# KiCad board eurocard mux.kicad_pcb (continued)
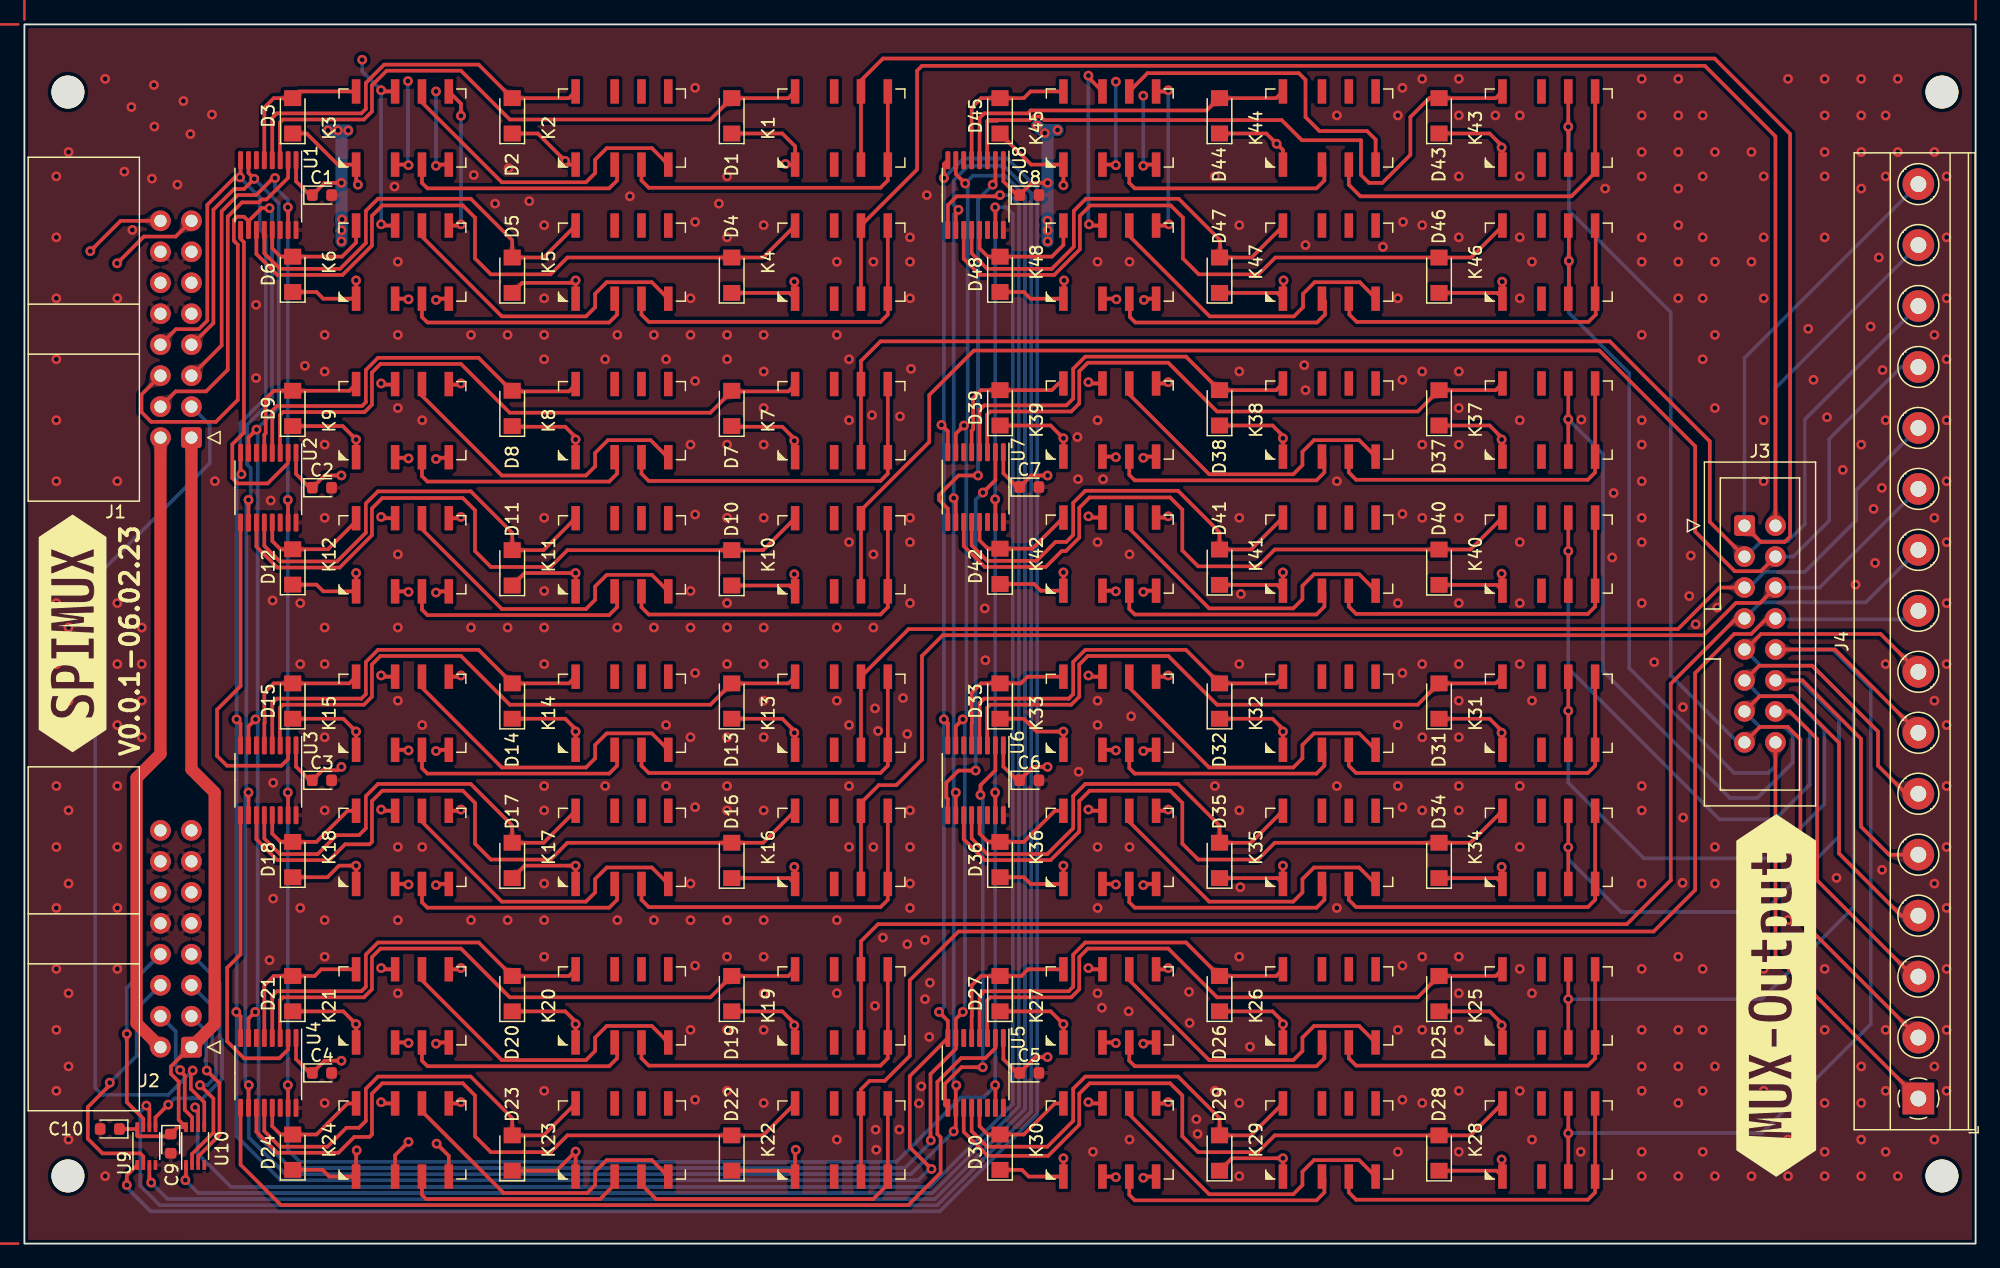
[diagram p0: board, top side]
## Routing (per net, layer and track width the routed paths; a pad name or vN(x,y) marks a point on that pad's centre or on a via; arc(x,y) is an arc through that point) (continued)
/buffer/device_enable_conn: length 15.9
  Top w0.3: v1(8.4,17.2) 8.4,11.6 9.75,10.25 U9.7
  Bottom w0.3: v1(8.4,17.2) 8.4,20.97 J2.8
/buffer/serial_clock_conn: length 17.6
  Top w0.3: v1(14.4,13) 15.5,11.9 15.5,9.11 13.75,7.36 U10.2
  Bottom w0.3: J2.5 15.4,19.49 15.4,16 15.7,15.7 15.7,13.7 15,13 v1(14.4,13)
/buffer/serial_out_conn: length 10.2
  Top w0.3: U10.7 13.75,10.37 13.15,10.96 13.15,13.79 12.77,14.17 v1(12.77,14.23)
  Bottom w0.3: v1(12.77,14.23) 12.4,14.6 12.4,17.41 J2.4
/buffer/Serial_return_conn: length 13.9
  Top w0.3: U10.3 14.25,7.15 16,8.9 16,13.15 v1(14.95,14.2)
  Bottom w0.3: v1(14.95,14.2) 14.9,14.25 14.9,17.45 J2.3
/buffer/synch_clr_conn: length 18.8
  Top w0.3: v1(11.8,11.4) 10.75,10.35 U9.5
  Bottom w0.3: v1(11.8,11.4) 12.31,11.91 13.67,11.91 13.69,11.92 13.86,11.92 13.86,11.93 14.31,11.93 14.63,11.93 16.2,13.49 16.2,16.71 16,16.91 16,21.43 J2.7
/buffer/transf_out_conn: length 20.9
  Top w0.3: U9.2 9.75,7.15 9.5,7.4 6.4,7.4 5.2,8.6 5.2,11.2 7,13 v1(7,13.2)
  Bottom w0.3: v1(7,13.2) 9.2,15.4 9.2,19.23 J2.6
/Relay_group1/Relays1/ai/pow: length 32.8
  Top w0.3: K2.8 44.65,93.95 D2.2 37.25,96.7 29.5,96.7 28,95.2 28,93.07 27.63,92.7 20.7,92.7 20.33,92.33 U1.4
/Relay_group1/Relays1/in/out: length 12.4
  Top w0.3: U1.5 19.67,93.17 20.45,93.95 D3.2 22.55,94.5 K3.8
/Relay_group1/Relays1/on/off: length 51
  Top w0.3: U1.3 20.95,88.89 20.95,91.95 21.2,92.2 27.84,92.2 28.5,92.86 28.5,94.99 29.71,96.2 35.8,96.2 39.8,92.2 56.25,92.2 D1.2 62.65,93.95 K1.8
/Relay_group1/Relays2/ai/pow: length 35.8
  Top w0.3: K5.8 42.58,80.88 D5.2 40,82.3 36.6,85.7 28.99,85.7 28,84.71 28,82.07 25.88,79.95 20.95,79.95 19.67,81.22 U1.12
/Relay_group1/Relays2/in/out: length 10.5
  Top w0.3: U1.13 20.33,81.62 21,80.95 D6.2 26.05,80.95 27.2,82.1 K6.8
/Relay_group1/Relays2/on/off: length 56.6
  Top w0.3: U1.11 19.03,81.17 20.74,79.45 26.09,79.45 28.5,81.86 28.5,81.89 28.5,84.3 29.35,85.15 35.95,85.15 36.95,84.15 36.95,80.8 38.25,79.5 43.15,79.5 44.53,80.88 D4.2 60.58,80.88 K4.8
/Relay_group1/serial_out: length 26.3
  Top w0.3: 21.6,64 19.95,62.35 17.49,62.35 17.05,62.79 17.05,65.56 18,66.51 18,82.14 17.72,82.41 U1.9
/Relay_group2/Relays1/ai/pow: length 33
  Top w0.3: U2.4 20.33,68.33 20.7,68.7 27.68,68.7 28,69.02 28,71.66 28.99,72.65 37.25,72.65 40,69.9 44.65,69.9 45.2,70.45
/Relay_group2/Relays1/in/out: length 12.4
  Top w0.3: K9.8 26.65,69.95 D9.2 20.45,69.95 19.79,69.29 19.79,66.46 19.67,66.35 U2.5
/Relay_group2/Relays1/on/off: length 51.2
  Top w0.3: 63.2,70.45 62.65,69.9 58,69.9 56.25,68.15 39.8,68.15 35.8,72.15 29.2,72.15 28.5,71.45 28.5,68.81 27.89,68.2 21.2,68.2 20.95,67.95 20.95,64.89 U2.3
/Relay_group2/Relays2/ai/pow: length 35.7
  Top w0.3: U2.12 19.67,57.22 20.95,55.95 25.64,55.95 28,58.31 28,60.71 28.99,61.7 36.6,61.7 40,58.3 D11.2 42.58,56.88 K11.8
/Relay_group2/Relays2/in/out: length 9.9
  Top w0.3: U2.13 20.33,57.62 21,56.95 D12.2 24.9,56.95 27.2,59.25 K12.8
/Relay_group2/Relays2/on/off: length 56.5
  Top w0.3: K10.8 60.58,56.88 D10.2 44.53,56.88 43.15,55.5 38.25,55.5 36.95,56.8 36.95,60.15 35.95,61.15 29.35,61.15 28.5,60.3 28.5,58.1 25.85,55.45 20.74,55.45 19.03,57.17 U2.11
/Relay_group2/serial_out: length 27.4
  Top w0.3: U3.2 21.62,39.75 21.08,39.2 16.6,39.2 15.8,40 15.8,43.8 17.72,45.72 U2.9
/Relay_group3/Relays1/ai/pow: length 33.1
  Top w0.3: U3.4 20.33,44.33 20.7,44.7 27.63,44.7 28,45.07 28,47.71 28.99,48.7 37.25,48.7 D14.2 44.65,45.95 K14.8
/Relay_group3/Relays1/in/out: length 12.4
  Top w0.3: U3.5 19.67,42.67 19.7,42.69 19.7,43.31 19.67,43.33 19.67,45.17 20.45,45.95 D15.2 26.65,45.95 K15.8
/Relay_group3/Relays1/on/off: length 51.3
  Top w0.3: U3.3 20.95,40.89 20.95,43.95 21.2,44.2 27.84,44.2 28.5,44.86 28.5,47.5 29.2,48.2 35.8,48.2 39.8,44.2 56.25,44.2 D13.2 62.65,45.95 K13.8
/Relay_group3/Relays2/ai/pow: length 35.8
  Top w0.3: K17.8 42.58,32.88 D17.2 40,34.3 36.6,37.7 28.99,37.7 28,36.71 28,34.07 27.43,33.5 25.6,33.5 24.05,31.95 20.95,31.95 19.67,33.22 U3.12
/Relay_group3/Relays2/in/out: length 9.7
  Top w0.3: K18.8 26.5,35.5 23.95,32.95 D18.2 21,32.95 20.33,33.62 U3.13
/Relay_group3/Relays2/on/off: length 57.1
  Top w0.3: U3.11 19.03,33.17 20.74,31.45 25,31.45 26.3,32.75 28.3,32.75 28.5,32.95 28.5,36.3 29.35,37.15 35.95,37.15 36.95,36.15 36.95,32.8 38.25,31.5 43.15,31.5 44.53,32.88 D16.2 60.58,32.88 K16.8
/Relay_group3/serial_out: length 25.8
  Top w0.3: U4.2 21.62,15.92 20.9,15.2 18.01,15.2 16.63,16.59 16.63,22.63 17.72,23.72 U3.9
/Relay_group4/Relays1/ai/pow: length 33.1
  Top w0.3: K20.8 44.65,21.95 D20.2 37.25,24.7 28.99,24.7 28,23.71 28,21.07 27.63,20.7 25.1,20.7 20.7,20.7 20.33,20.33 U4.4
/Relay_group4/Relays1/in/out: length 12.4
  Top w0.3: K21.8 24.35,22.5 23.8,21.95 D21.2 20.45,21.95 19.67,21.17 U4.5
/Relay_group4/Relays1/on/off: length 51.3
  Top w0.3: U4.3 20.95,16.89 20.95,19.95 21.2,20.2 27.84,20.2 28.5,20.86 28.5,23.5 29.2,24.2 35.8,24.2 39.8,20.2 56.25,20.2 D19.2 62.65,21.95 K19.8
/Relay_group4/Relays2/ai/pow: length 35.8
  Top w0.3: K23.8 42.58,8.88 D23.2 40,10.3 36.6,13.7 28.99,13.7 28,12.71 28,10.07 27.43,9.5 26.4,9.5 24.85,7.95 20.95,7.95 19.67,9.22 U4.12
/Relay_group4/Relays2/in/out: length 9.7
  Top w0.3: U4.13 20.33,9.62 21,8.95 D24.2 23.95,8.95 26.5,11.5 K24.8
/Relay_group4/Relays2/on/off: length 57.1
  Top w0.3: K22.8 60.58,8.88 D22.2 44.53,8.88 43.15,7.5 38.25,7.5 36.95,8.8 36.95,12.15 35.95,13.15 29.35,13.15 28.5,12.3 28.5,8.95 28.3,8.75 27.05,8.75 25.75,7.45 20.74,7.45 19.03,9.17 U4.11
/Relay_group4/serial_out: length 78.8
  Top w0.3: U4.9 17.72,6.47 21.05,3.15 72.47,3.15 75.13,5.81 75.13,8.72 74.87,8.98 74.87,13.27 76.82,15.22 78.8,15.22 79.62,16.04 U5.2
/Relay_group5/Relays1/ai/pow: length 33.1
  Top w0.3: U5.4 78.32,20.33 78.7,20.7 82.7,20.7 85.63,20.7 86,21.07 86,23.71 86.99,24.7 95.25,24.7 D26.2 102.65,21.95 K26.8
/Relay_group5/Relays1/in/out: length 12.4
  Top w0.3: U5.5 77.68,18.67 77.7,18.69 77.7,19.31 77.68,19.33 77.68,21.17 78.45,21.95 D27.2 81.75,21.95 82.3,22.5 K27.8
/Relay_group5/Relays1/on/off: length 51.3
  Top w0.3: K25.8 120.65,21.95 D25.2 114.25,20.2 97.8,20.2 93.8,24.2 87.2,24.2 86.5,23.5 86.5,20.86 85.84,20.2 79.2,20.2 78.95,19.95 78.95,16.89 U5.3
/Relay_group5/Relays2/ai/pow: length 35.8
  Top w0.3: K29.8 100.58,8.88 D29.2 98,10.3 94.6,13.7 86.99,13.7 86,12.71 86,10.07 83.88,7.95 78.95,7.95 77.68,9.22 U5.12
/Relay_group5/Relays2/in/out: length 9.7
  Top w0.3: K30.8 84.5,11.5 81.95,8.95 D30.2 79,8.95 78.32,9.62 U5.13
/Relay_group5/Relays2/on/off: length 56.9
  Top w0.3: U5.11 77.03,9.17 79,7.2 83.95,7.2 86.5,9.75 86.5,12.3 87.35,13.15 93.95,13.15 94.95,12.15 94.95,8.8 96.25,7.5 101.15,7.5 102.53,8.88 D28.2 118.58,8.88 K28.8
/Relay_group5/serial_out: length 32.7
  Top w0.3: v1(78.59,14.47) 76.84,14.47 75.48,13.1 75.48,11.38 U5.9 ; U6.2 79.62,38.83 78.4,37.6 v1(78.4,36.8)
  Bottom w0.3: v1(78.4,36.8) 78.59,36.61 v1(78.59,14.47)
/Relay_group6/Relays1/ai/pow: length 33.1
  Top w0.3: U6.4 78.32,44.33 78.7,44.7 85.63,44.7 86,45.07 86,47.71 86.99,48.7 95.25,48.7 D32.2 102.65,45.95 K32.8
/Relay_group6/Relays1/in/out: length 12.4
  Top w0.3: U6.5 77.68,42.67 77.7,42.69 77.7,43.31 77.68,43.33 77.68,45.17 78.45,45.95 D33.2 81.7,45.95 82.25,46.5 K33.8
/Relay_group6/Relays1/on/off: length 51.3
  Top w0.3: U6.3 78.95,40.89 78.95,43.95 79.2,44.2 85.84,44.2 86.5,44.86 86.5,47.5 87.2,48.2 93.8,48.2 97.8,44.2 114.25,44.2 D31.2 120.65,45.95 K31.8
/Relay_group6/Relays2/ai/pow: length 35.8
  Top w0.3: K35.8 100.58,32.88 D35.2 98,34.3 94.6,37.7 86.99,37.7 86,36.71 86,34.07 83.88,31.95 78.95,31.95 77.68,33.22 U6.12
/Relay_group6/Relays2/in/out: length 9.7
  Top w0.3: U6.13 78.32,33.62 79,32.95 D36.2 81.95,32.95 84.5,35.5 K36.8
/Relay_group6/Relays2/on/off: length 56.6
  Top w0.3: U6.11 77.03,33.17 78.74,31.45 84.15,31.45 86.5,33.8 86.5,36.3 87.35,37.15 93.95,37.15 94.95,36.15 94.95,32.8 96.25,31.5 101.15,31.5 102.53,32.88 D34.2 118.58,32.88 K34.8
/Relay_group6/serial_out: length 32.3
  Top w0.3: U6.9 75.72,36.47 75.6,36.6 75.6,37.8 76.6,38.8 v1(78,38.8) ; v1(78.6,61.6) 79.62,62.62 U7.2
  Bottom w0.3: v1(78,38.8) 78,61 v1(78.6,61.6)
/Relay_group7/Relays1/ai/pow: length 32.9
  Top w0.3: K38.8 102.65,70 D38.2 95.25,72.75 86.99,72.75 86,71.76 86,69.31 85.44,68.75 78.7,68.75 78.32,68.38 U7.4
/Relay_group7/Relays1/in/out: length 12.4
  Top w0.3: U7.5 77.68,66.67 77.8,66.79 77.8,69.35 78.45,70 D39.2 84.25,70 84.8,70.55 K39.8
/Relay_group7/Relays1/on/off: length 51.3
  Top w0.3: K37.8 120.65,70 D37.2 114.25,68.25 97.8,68.25 93.8,72.25 87.2,72.25 86.5,71.55 86.5,68.91 85.84,68.25 79.2,68.25 78.95,68 78.95,64.94 U7.3
/Relay_group7/Relays2/ai/pow: length 35.8
  Top w0.3: K41.8 100.58,56.93 D41.2 98,58.35 94.6,61.75 86.99,61.75 86,60.76 86,58.12 85.43,57.55 84.55,57.55 83,56 78.95,56 77.68,57.28 U7.12
/Relay_group7/Relays2/in/out: length 9.7
  Top w0.3: K42.8 82.65,57 D42.2 79,57 78.32,57.67 U7.13
/Relay_group7/Relays2/on/off: length 56.6
  Top w0.3: U7.11 77.03,57.22 78.74,55.5 83.75,55.5 85.05,56.8 85.4,56.8 86.5,57.9 86.5,60.35 87.35,61.2 93.95,61.2 94.95,60.2 94.95,56.85 96.25,55.55 101.15,55.55 102.53,56.93 D40.2 118.58,56.93 K40.8
/Relay_group7/serial_out: length 32.8
  Top w0.3: U8.2 79.62,87.08 v1(79.4,86.85) ; v1(78.2,63) 76.6,63 75,61.4 75,61 75.72,60.28 U7.9
  Bottom w0.3: v1(78.2,63) 78.2,85.65 v1(79.4,86.85)
/Relay_group8/Relays1/ai/pow: length 29.2
  Top w0.3: U8.4 78.32,92.33 78.7,92.7 82.28,92.7 82.52,92.94 96.94,92.94 97.95,93.95 D44.2 102.65,93.95 K44.8
/Relay_group8/Relays1/in/out: length 12.4
  Top w0.3: U8.5 77.68,93.17 78.45,93.95 D45.2 81.96,93.95 82.5,94.5 K45.8
/Relay_group8/Relays1/on/off: length 56.1
  Top w0.3: U8.3 78.95,88.89 78.95,92.05 79.05,92.15 79.8,92.15 ; 79.8,92.15 79,92.1 79.75,92.1 79.8,92.15 ; 79.8,92.15 82.43,92.15 82.73,92.44 83.35,92.44 83.64,92.15 103.1,92.15 104.75,90.5 109.6,90.5 109.6,87.65 110.25,87 111.35,87 113.65,89.3 113.65,92.4 115.2,93.95 D43.2 120.65,93.95 K43.8
/Relay_group8/Relays2/ai/pow: length 36
  Top w0.3: U8.12 77.68,81.22 78.95,79.95 84.24,79.95 86.05,81.76 86.05,84.71 87.04,85.7 94.65,85.7 98.05,82.3 98.05,80.88 100.63,80.88 103.25,83.5
/Relay_group8/Relays2/in/out: length 10.7
  Top w0.3: U8.13 78.32,81.62 79,80.95 D48.2 84.25,80.95 85.2,81.9 K48.8
/Relay_group8/Relays2/on/off: length 57.1
  Top w0.3: U8.11 77.03,80.78 78.35,79.45 84.45,79.45 86.55,81.55 86.55,84.3 87.4,85.15 94,85.15 95,84.15 95,80.8 96.3,79.5 101.2,79.5 102.58,80.88 118.63,80.88 121.25,83.5
analog_n: length 346.6
  Top w0.3: v1(31.5,40.45) 31.45,40.5 K15.2 ; v1(89.5,29.45) 89.45,29.5 K36.2 ; K45.2 89.45,88.5 v1(89.5,88.45) ; v1(31.5,29.45) 31.45,29.5 K18.2 ; v1(89.5,64.5) 89.45,64.55 K39.2 ; 88.45,77.5 89.5,77.5 v1(89.55,77.45) ; v1(89.5,53.5) 89.45,53.55 K42.2 ; K24.2 30.4,7.25 v1(31.5,8.35) ; K21.2 31.45,16.5 v1(31.5,16.45) ; v1(5.4,81.4) 7.89,83.89 J1.16 ; v1(89.5,5.45) 89.45,5.5 K30.2 ; v1(31.5,53.45) 31.45,53.5 K12.2 ; v1(89.5,16.45) 89.45,16.5 K27.2 ; v1(31.5,77.45) 31.45,77.5 K6.2 ; K3.2 31.45,88.5 v1(31.5,88.45) ; K33.2 89.45,40.5 v1(89.5,40.45) ; 30.4,64.45 31.45,64.45 v1(31.5,64.4)
  In2.Cu w0.3: v1(31.5,88.45) v1(31.5,8.35) ; v1(5.4,81.4) 4.4,80.4 4.4,58.2 5.4,57.2 5.6,57.2 11.16,51.64 J2.16 ; v1(89.5,95.3) 89.5,94.9 89.3,94.7 86.2,94.7 85.3,95.6 31.7,95.6 v1(31.45,95.35) 31.17,95.63 12.63,95.63 9.2,92.2 9.2,85.65 10.96,83.89 J1.16 ; v1(89.5,5.45) v1(89.5,88.45)
  Bottom w0.3: v1(31.5,88.45) 31.45,88.5 v1(31.45,95.35) ; v1(89.5,95.3) v1(89.5,88.45)
analog_p: length 342.1
  Top w0.3: K24.4 34.8,7.2 v1(33.8,8.2) ; K30.4 91.85,5.5 v1(91.75,5.4) ; K36.4 91.85,29.5 v1(91.75,29.4) ; v1(33.75,64.35) 33.85,64.45 34.8,64.45 ; J1.15 12.41,82.6 9.8,82.6 v1(7.6,80.4) ; v1(91.75,88.4) 91.85,88.5 K45.4 ; v1(91.75,40.4) 91.85,40.5 K33.4 ; v1(91.75,53.45) 91.85,53.55 K42.4 ; K39.4 91.85,64.55 v1(91.75,64.45) ; K18.4 33.85,29.5 v1(33.75,29.4) ; K3.4 33.85,88.5 v1(33.75,88.4) ; v1(91.75,16.4) 91.85,16.5 K27.4 ; v1(33.75,53.4) 33.85,53.5 K12.4 ; K15.4 33.85,40.5 v1(33.75,40.4) ; K21.4 33.85,16.5 v1(33.75,16.4) ; v1(91.8,77.4) 91.9,77.5 92.85,77.5 ; v1(33.75,77.4) 33.85,77.5 K6.4
  In2.Cu w0.3: v1(7.6,80.4) 6.3,79.1 6.3,60.89 13.7,53.5 J2.15 ; 33.78,93.67 33.78,94.47 v1(33.75,94.5) ; 33.78,93.67 91.27,93.67 v1(91.75,94.15) ; 33.78,93.67 14.77,93.67 11.7,90.6 11.7,85.89 J1.15 ; v1(33.8,8.2) 33.8,88.35 v1(33.75,88.4) ; v1(91.75,88.4) v1(91.75,5.4)
  Bottom w0.3: v1(91.75,94.15) v1(91.75,88.4) ; v1(33.75,94.5) v1(33.75,88.4)
CH_1: length 157.8
  Top w0.3: K1.3 K1.6 68.6,95.4 70.4,97.2 138.6,97.2 144.79,91.01 144.79,57.99 144.35,57.55 142.39,57.55 J3.1
  Bottom w0.3: J3.1 141.05,72.64 J4.16
CH_2: length 153.3
  Top w0.3: K4.3 K4.6 73.2,88.1 73.2,96.2 73.6,96.6 137.8,96.6 143.59,90.81 J3.2
  Bottom w0.3: J3.2 143.59,70.18 J4.15
CH_3: length 120
  Top w0.3: J3.3 138.2,59.2 138.2,65.8 130,74 70.2,74 68.6,72.4 K7.6 ; 68.6,64.45 68.6,70.45
  Bottom w0.3: J4.14 155.3,76.9 146,67.6 146,59 144.6,57.6 142.4,57.6 141.15,56.35 J3.3
CH_4: length 123.5
  Top w0.3: K10.3 K10.6 68.6,60.15 74.2,65.75 74.2,69.6 77.85,73.25 129.15,73.25 137,65.4 137,58.4 140.25,55.15 142.39,55.15 J3.4
  Bottom w0.3: J3.4 145.05,56.35 148,59.3 148,66 153.9,71.9 J4.13
CH_5: length 102.6
  Top w0.3: K13.3 K13.6 72.5,50.4 135.59,50.4 139,53.81 J3.5
  Bottom w0.3: J3.5 141.41,53.81 142.69,55.09 145.99,55.09 150.2,59.3 150.2,61.8 J4.12
CH_6: length 109
  Top w0.3: J3.6 142.32,52.54 140.34,52.54 137.7,49.9 75.3,49.9 73.6,48.2 73.6,39.7 71.5,37.6 70.05,37.6 68.6,36.15 K16.6 K16.3
  Bottom w0.3: J3.6 147.22,53.81 J4.11
CH_7: length 117.7
  Top w0.3: J3.7 140.36,51.27 135,45.91 135,29.8 131.4,26.2 70,26.2 68.6,24.8 K19.6 K19.3
  Bottom w0.3: J3.7 142.38,52.6 151,52.6 J4.10
CH_8: length 124.2
  Top w0.3: J3.8 142.86,51.27 141.59,50 140.2,50 137,46.8 137,29 133.6,25.6 76.6,25.6 72.6,21.6 72.6,15.4 70.55,13.35 69.3,13.35 68.6,12.65 K22.6 K22.3
  Bottom w0.3: J3.8 143.66,51.2 154.6,51.2 J4.9
CH_9: length 75.9
  Top w0.3: K25.3 K25.6 ; J4.8 152.21,50 142.4,50 141.13,48.73 J3.9
  Bottom w0.3: J3.9 142.38,47.4 146.6,47.4 150,44 150,27.6 142.45,20.05 v1(126.6,20.05)
CH_10: length 85.8
  Top w0.3: J3.10 148.47,48.73 J4.7 ; K28.3 v1(126.6,9.05) K28.6
  Bottom w0.3: v1(126.6,9.05) 126.62,9.07 142.47,9.07 151.4,18 151.4,45.6 148.27,48.73 J3.10
CH_11: length 72.4
  Top w0.3: J4.6 154.3,36.9 152,39.2 152,42 146.6,47.4 142.26,47.4 J3.11 ; K31.3 K31.6
  Bottom w0.3: J3.11 142.3,44.94 144.86,44.94 147.6,42.2 147.6,36.05 143.15,31.6 132.8,31.6 126.6,37.8 v1(126.6,43.7)
CH_12: length 71.5
  Top w0.3: J4.5 152.9,31.9 150.6,34.2 150.6,41.4 145.81,46.19 J3.12 ; K34.3 K34.6
  Bottom w0.3: J3.12 145.61,46.19 148.8,43 148.8,33.4 142.6,27.2 130.94,27.2 126.6,31.54 v1(126.6,32.5)
CH_13: length 83.4
  Top w0.3: J4.4 153.9,26.9 148.8,32 148.8,41.08 144.98,44.9 142.29,44.9 J3.13 ; K37.6 v1(126.6,67.6) K37.3
  Bottom w0.3: J3.13 142.35,42.35 144.35,42.35 145,41.7 145,39.45 142.1,36.55 139.85,36.55 129.45,46.95 129.45,64.75 v1(126.6,67.6)
CH_14: length 77.1
  Top w0.3: J4.3 154.9,21.9 147,29.8 147,41.4 144.75,43.65 J3.14 ; K40.3 K40.6
  Bottom w0.3: J3.14 144.75,43.65 146.4,42 146.4,37.65 143.55,34.8 139,34.8 126.6,47.2 v1(126.6,56.8)
CH_15: length 96.8
  Top w0.3: K43.6 v1(126.6,91.6) K43.3 ; J4.2 145.63,26.57 145.63,41.35 144.6,42.38 142.32,42.38 J3.15
  Bottom w0.3: J3.15 140.49,41.11 135,46.6 135,76.4 126.65,84.75 126.65,91.55 v1(126.6,91.6)
CH_16: length 93.2
  Top w0.3: 126.65,83.5 v1(126.65,80.6) 126.65,77.5 ; J4.1 143.59,23.62 J3.16
  Bottom w0.3: J3.16 143.59,39.19 143,38.6 140.2,38.6 131.6,47.2 131.6,71.4 126.65,76.35 v1(126.65,80.6)
device_enable: length 421.5
  Top w0.3: v1(75.2,67.15) 75.72,66.62 U7.8 ; v1(17.38,19) 17.72,18.65 U4.8 ; U6.8 75.72,42.67 v1(75.4,43) ; v1(75.4,87.4) 75.4,88.54 U8.8 ; U9.1 8.4,5.6 v1(8.4,4.8) ; U2.8 17.72,63.17 v1(17.8,63.1) ; U1.8 17.72,87.5 v1(17.68,87.45) 17.25,87.45 15,85.2 15,75.71 14.29,75 12.43,75 J1.8 ; v1(75,19) 75.72,18.28 U5.8 72.6,13.74 72.6,7.9 v1(74.38,6.12) ; v1(17.4,43) 17.72,42.67 U3.8
  Bottom w0.3: v1(74.38,6.12) 74.22,6.12 73.3,5.2 21,5.2 17.4,8.8 17.4,18.98 v1(17.38,19) 17.4,19.02 v1(17.4,43) 17.4,62.7 v1(17.8,63.1) 17.7,63.2 17.7,67.3 19.8,69.4 19.8,82.7 19.3,83.2 19.3,85.83 v1(17.68,87.45) ; v1(8.4,4.8) 8.4,4.6 10.35,2.65 75.08,2.65 83.05,10.62 83.05,86.6 82.8,86.85 82.75,86.85 80.6,89 77,89 v1(75.4,87.4) 75.4,67.35 v1(75.2,67.15) 75.4,66.95 v1(75.4,43) 75.4,19.4 v1(75,19)
Earth:
  vias: v1(2.62,87.53) v1(2.62,82.53) v1(2.62,77.53) v1(2.62,72.53) v1(2.62,67.53) v1(2.62,62.53) v1(2.62,57.53) v1(2.62,52.53) v1(2.62,47.53) v1(2.62,42.53) v1(2.62,37.53) v1(2.62,32.53) v1(2.62,27.53) v1(2.62,22.53) v1(2.62,17.53) v1(2.62,12.53) v1(3.62,89.53) v1(3.62,50.53) v1(3.62,44.53) v1(3.62,35.53) v1(3.62,29.53) v1(3.62,20.53) v1(3.62,14.53) v1(3.62,8.53) v1(6.62,95.53) v1(6.62,5.53) v1(7.62,77.53) v1(7.62,62.53) v1(7.62,52.53) v1(7.62,47.53) v1(7.62,42.53) v1(7.62,37.53) v1(7.62,32.53) v1(7.62,27.53) v1(7.62,22.53) v1(8.2,87.93) v1(8.77,93.22) v1(8.86,83.14) v1(9.62,50.53) v1(9.62,47.53) v1(9.62,44.53) v1(9.62,41.53) v1(10.46,87.35) v1(10.62,95.03) v1(10.66,91.62) v1(12.55,86.86) v1(13.04,93.71) v1(13.62,91) v1(15.38,92.6) v1(15.62,62.53) v1(19,77) v1(19,71) v1(20.1,23.25) v1(20.2,60.95) v1(20.35,52.75) v1(20.4,37.8) v1(20.4,28.3) v1(22.62,52.53) v1(22.62,47.53) v1(22.62,27.53) v1(23,72) v1(24.62,74.53) v1(24.62,71.53) v1(24.62,65.53) v1(24.62,59.53) v1(24.62,50.53) v1(24.62,47.53) v1(24.62,41.53) v1(24.62,35.53) v1(24.62,26.53) v1(24.62,23.53) v1(24.62,11.53) v1(30.35,86.7) v1(30.62,80.53) v1(30.62,74.53) v1(30.62,68.53) v1(30.62,56.53) v1(30.62,50.53) v1(30.62,44.53) v1(30.62,32.53) v1(30.62,26.53) v1(30.62,20.53) v1(32.62,67.53) v1(32.62,42.53) v1(32.62,32.53) v1(36.62,74.53) v1(36.62,50.53) v1(36.62,26.53) v1(36.85,87.65) v1(38.6,85.3) v1(39.62,74.53) v1(39.62,50.53) v1(39.62,26.53) v1(39.7,88.2) v1(41.4,85.5) v1(42.62,83.53) v1(42.62,77.53) v1(42.62,74.53) v1(42.62,72.53) v1(42.62,59.53) v1(42.62,53.53) v1(42.62,50.53) v1(42.62,47.53) v1(42.62,37.53) v1(42.62,35.53) v1(42.62,29.53) v1(42.62,26.53) v1(42.62,23.53) v1(42.62,12.53) v1(47.62,72.53) v1(47.62,37.53) v1(48.62,74.53) v1(48.62,50.53) v1(48.62,26.53) v1(49.65,85.9) v1(51.62,74.53) v1(51.62,50.53) v1(51.62,26.53) v1(52.62,72.53) v1(52.62,42.53) v1(52.62,37.53) v1(54.62,77.53) v1(54.62,74.53) v1(54.62,65.53) v1(54.62,53.53) v1(54.62,50.53) v1(54.62,41.53) v1(54.62,29.53) v1(54.62,26.53) v1(54.62,17.53) v1(55,94.8) v1(55,83.8) v1(55,70.75) v1(55,59.8) v1(55,46.8) v1(55,35.8) v1(55,22.8) v1(55,11.8) v1(56.95,85.3) v1(57.62,87.53) v1(57.62,82.53) v1(57.62,74.53) v1(57.62,72.53) v1(57.62,65.53) v1(57.62,59.53) v1(57.62,52.53) v1(57.62,50.53) v1(57.62,47.53) v1(57.62,41.53) v1(57.62,37.53) v1(57.62,35.53) v1(57.62,26.53) v1(57.62,23.53) v1(57.62,17.53) v1(57.62,12.53) v1(60.62,83.53) v1(60.62,74.53) v1(60.62,71.53) v1(60.62,68.53) v1(60.62,65.53) v1(60.62,59.53) v1(60.62,50.53) v1(60.62,47.53) v1(60.62,44.53) v1(60.62,41.53) v1(60.62,35.53) v1(60.62,26.53) v1(60.62,23.53) v1(60.62,20.53) v1(60.62,17.53) v1(60.62,11.53) v1(66.62,80.53) v1(66.62,74.53) v1(66.62,50.53) v1(66.62,44.53) v1(66.62,26.53) v1(66.62,20.53) v1(66.62,8.53) v1(67.62,72.53) v1(67.62,67.53) v1(67.62,57.53) v1(67.62,42.53) v1(67.62,37.53) v1(67.62,32.53) v1(69.5,67.95) v1(69.62,80.53) v1(69.62,56.53) v1(69.62,50.53) v1(69.62,32.53) v1(69.75,43.9) v1(69.75,19.5) v1(69.8,9.35) v1(69.85,7.7) v1(70,42.05) v1(70.4,25.1) v1(71.8,67.85) v1(71.75,9.35) v1(72.05,44.75) v1(72.4,41.8) v1(72.4,24.55) v1(72.62,82.53) v1(72.62,80.53) v1(72.62,77.53) v1(72.62,59.53) v1(72.62,57.53) v1(72.62,52.53) v1(72.62,35.53) v1(72.62,32.53) v1(72.62,29.53) v1(72.62,27.53) v1(72.7,71.75) v1(73.35,11.5) v1(73.55,12.9) v1(73.85,24.9) v1(73.85,20.05) v1(74,86) v1(74.25,21.4) v1(74.2,16.95) v1(78.75,52.1) v1(78.8,47.85) v1(86.35,66.15) v1(86.4,62.7) v1(86.45,38.7) v1(87.62,7.53) v1(88,80.53) v1(88,67.53) v1(88,57.53) v1(88,44.53) v1(88,42.53) v1(88,32.53) v1(88,27.53) v1(88,20.53) v1(88.35,19.35) v1(88.45,62.7) v1(90.62,80.53) v1(90.62,56.53) v1(90.62,32.53) v1(90.55,19.05) v1(90.62,8.53) v1(90.75,43.25) v1(95.5,20.65) v1(95.55,18.1) v1(96.1,10.2) v1(96.2,9) v1(97.62,87.53) v1(97.62,37.53) v1(97.62,12.53) v1(99.62,83.53) v1(99.62,71.53) v1(99.62,59.53) v1(99.62,47.53) v1(99.62,35.53) v1(99.62,23.53) v1(99.62,11.53) v1(99.62,5.53) v1(99.71,29.23) v1(99.75,53.28) v1(100.5,16.15) v1(104.95,72.05) v1(105.05,81.9) v1(105.05,70) v1(107.62,92.53) v1(107.62,62.53) v1(107.62,37.53) v1(107.62,27.53) v1(111.4,81.75) v1(112.62,92.53) v1(112.62,77.53) v1(112.62,52.53) v1(112.62,42.53) v1(112.62,37.53) v1(112.62,17.53) v1(112.62,7.53) v1(113,94.8) v1(113,70.85) v1(113,59.85) v1(113,46.8) v1(113,35.8) v1(113,22.8) v1(113,11.8) v1(113.05,83.8) v1(114.62,95.53) v1(114.62,83.53) v1(114.62,71.53) v1(114.62,65.53) v1(114.62,59.53) v1(114.62,47.53) v1(114.62,41.53) v1(114.62,35.53) v1(114.62,23.53) v1(114.62,17.53) v1(114.62,11.53) v1(117.62,95.53) v1(117.62,92.53) v1(117.62,87.53) v1(117.62,82.53) v1(117.62,71.53) v1(117.62,68.53) v1(117.62,65.53) v1(117.62,59.53) v1(117.62,52.53) v1(117.62,47.53) v1(117.62,44.53) v1(117.62,41.53) v1(117.62,37.53) v1(117.62,35.53) v1(117.62,23.53) v1(117.62,20.53) v1(117.62,17.53) v1(117.62,12.53) v1(117.62,7.53) v1(120.62,92.53) v1(122.62,92.53) v1(122.62,87.53) v1(122.62,82.53) v1(122.62,77.53) v1(122.62,67.53) v1(122.62,57.53) v1(122.62,52.53) v1(122.62,47.53) v1(122.62,37.53) v1(122.62,32.53) v1(122.62,22.53) v1(122.62,12.53) v1(123.62,80.53) v1(123.62,44.53) v1(123.62,20.53) v1(123.62,8.53) v1(127.62,7.53) v1(127.67,67.59) v1(129.62,86.53) v1(130.2,56.28) v1(130.32,61.56) v1(132.62,95.53) v1(132.62,92.53) v1(132.62,89.53) v1(132.62,87.53) v1(132.62,82.53) v1(132.62,80.53) v1(132.62,74.53) v1(132.62,67.53) v1(132.62,65.53) v1(132.62,62.53) v1(132.62,59.53) v1(132.62,57.53) v1(132.62,52.53) v1(132.62,37.53) v1(132.62,35.53) v1(132.62,29.53) v1(132.62,22.53) v1(132.62,17.53) v1(132.62,14.53) v1(132.62,12.53) v1(132.62,7.53) v1(132.62,5.53) v1(133.65,47.69) v1(135.62,95.53) v1(135.62,92.53) v1(135.62,89.53) v1(135.62,86.53) v1(135.62,83.53) v1(135.62,80.53) v1(135.62,77.53) v1(135.62,23.53) v1(135.62,17.53) v1(135.62,14.53) v1(135.62,11.53) v1(135.62,5.53) v1(136,44) v1(136.02,34.95) v1(135.97,29.59) v1(136.52,53.11) v1(136.64,56.43) v1(137.05,50.8) v1(137.62,92.53) v1(137.62,87.53) v1(137.62,82.53) v1(137.62,77.53) v1(137.62,72.53) v1(137.62,22.53) v1(137.62,17.53) v1(137.62,12.53) v1(137.62,7.53) v1(138.62,89.53) v1(138.62,80.53) v1(138.62,74.53) v1(138.62,68.53) v1(138.62,32.53) v1(138.62,29.53) v1(138.62,14.53) v1(138.62,5.53) v1(138.82,52.17) v1(141.62,89.53) v1(141.62,80.53) v1(141.62,29.53) v1(141.62,14.53) v1(141.62,5.53) v1(142.62,87.53) v1(142.62,82.53) v1(142.62,77.53) v1(142.62,67.53) v1(142.62,62.53) v1(142.62,22.53) v1(142.62,17.53) v1(142.62,12.53) v1(142.62,7.53) v1(144.62,95.53) v1(144.62,26.53) v1(144.62,17.53) v1(144.62,14.53) v1(144.62,8.53) v1(144.62,5.53) v1(144.88,32.27) v1(146.28,75.03) v1(146.71,70.85) v1(147.62,95.53) v1(147.62,92.53) v1(147.62,89.53) v1(147.62,87.53) v1(147.62,82.53) v1(147.62,22.53) v1(147.62,17.53) v1(147.62,11.53) v1(147.62,7.53) v1(147.62,5.53) v1(147.82,67.77) v1(148.59,30) v1(149.11,63.46) v1(150.15,54.05) v1(150.62,95.53) v1(150.62,92.53) v1(150.62,89.53) v1(150.62,86.53) v1(150.62,65.53) v1(150.62,14.53) v1(150.62,11.53) v1(150.62,8.53) v1(150.62,5.53) v1(151.39,75.22) v1(151.63,60.26) v1(151.75,55.83) v1(152.06,80.88) v1(152.31,61.99) v1(152.33,30.66) v1(152.37,71.65) v1(152.62,92.53) v1(152.62,87.53) v1(152.62,67.53) v1(152.62,47.53) v1(152.62,17.53) v1(152.62,12.53) v1(152.62,7.53) v1(153.62,95.53) v1(153.62,89.53) v1(153.62,5.53) v1(156.62,89.53) v1(156.62,74.53) v1(156.62,59.53) v1(156.62,44.53) v1(156.62,29.53) v1(156.62,14.53) v1(156.62,8.53) v1(157.62,87.53) v1(157.62,82.53) v1(157.62,77.53) v1(157.62,72.53) v1(157.62,67.53) v1(157.62,62.53) v1(157.62,57.53) v1(157.62,52.53) v1(157.62,47.53) v1(157.62,42.53) v1(157.62,37.53) v1(157.62,32.53) v1(157.62,27.53) v1(157.62,22.53) v1(157.62,17.53) v1(157.62,12.53)
output_n: length 346.7
  Top w0.3: v1(87.25,70.65) 87.35,70.55 K39.7 ; v1(87.25,11.6) 87.35,11.5 K30.7 ; v1(29.25,11.6) 29.35,11.5 K24.7 ; v1(29.25,94.6) 29.35,94.5 K3.7 ; v1(87.25,46.6) 87.35,46.5 K33.7 ; v1(87.25,22.6) 87.35,22.5 K27.7 ; v1(29.25,46.6) 29.35,46.5 K15.7 ; v1(87.25,35.6) 87.35,35.5 K36.7 ; 30.4,70.45 29.35,70.45 v1(29.25,70.55) ; K45.7 87.25,95.65 v1(87.25,95.8) ; K42.7 87.35,59.55 v1(87.25,59.65) ; v1(87.3,83.6) 87.4,83.5 88.45,83.5 ; K6.7 29.35,83.5 v1(29.25,83.6) ; v1(29.25,59.6) 29.35,59.5 K12.7 ; v1(29.25,35.6) 29.35,35.5 K18.7 ; v1(29.25,22.6) 29.35,22.5 K21.7
  In2.Cu w0.3: v1(27.7,97.1) 27.53,97.27 27.53,97.43 ; v1(87.25,95.8) 85.62,97.43 27.53,97.43 ; 27.53,97.43 11.43,97.43 7.4,93.4 7.4,82.57 J1.12 6.8,74.45 6.8,66.4 15,58.2 15,30.82 14.28,30.1 12.45,30.1 J2.12 ; v1(87.25,11.6) 87.25,83.55 v1(87.3,83.6) ; v1(29.25,83.6) v1(29.25,11.6)
  Bottom w0.3: v1(87.3,83.6) 87.25,83.65 v1(87.25,95.8) ; v1(27.7,97.1) 27.7,96.15 v1(29.25,94.6) v1(29.25,83.6)
output_p: length 334.6
  Top w0.3: v1(35.8,46.6) 35.7,46.5 K15.5 ; 92.85,83.5 93.75,83.5 v1(93.85,83.6) ; K18.5 35.7,35.5 v1(35.8,35.6) ; v1(35.8,59.6) 35.7,59.5 K12.5 ; K36.5 93.7,35.5 v1(93.8,35.6) ; K3.5 35.8,93.5 v1(35.8,92.5) ; v1(93.8,94.6) 93.7,94.5 K45.5 ; K30.5 93.7,11.5 v1(93.8,11.6) ; K21.5 35.7,22.5 v1(35.8,22.6) ; v1(35.8,70.55) 35.7,70.45 34.8,70.45 ; K39.5 93.7,70.55 v1(93.8,70.65) ; v1(93.8,22.6) 93.7,22.5 K27.5 ; K42.5 93.7,59.55 v1(93.8,59.65) ; K6.5 35.7,83.5 v1(35.8,83.6) ; v1(93.8,46.6) 93.7,46.5 K33.5 ; K24.5 35.7,11.5 v1(35.8,11.6)
  In2.Cu w0.3: v1(93.8,94.6) 93.8,94.3 92,92.5 83.43,92.5 83.39,92.54 82.68,92.54 82.64,92.5 v1(35.8,92.5) 16.5,92.5 14,90 14,85.75 15,84.75 15,80.11 J1.11 12.49,77.6 10.65,77.6 8.6,75.55 8.6,65.8 13.2,61.2 14.6,61.2 16.6,59.2 16.6,31.71 J2.11 ; v1(93.85,83.6) 93.85,11.65 v1(93.8,11.6) ; v1(35.8,83.6) v1(35.8,11.6)
  Bottom w0.3: v1(35.8,92.5) v1(35.8,83.6) ; v1(93.8,94.6) 93.8,83.65 v1(93.85,83.6)
serial_clock: length 399.3
  Top w0.3: U4.15 21.62,12.97 v1(21.6,13) ; U2.15 21.62,60.97 v1(21.6,61) ; v1(79.6,85) 79.62,84.97 U8.15 ; U1.15 21.62,84.97 v1(21.6,85) ; U7.15 79.62,61.03 v1(79.6,61.05) ; J1.5 16.18,73.67 16.18,84.68 17.5,86 19,86 20.4,87.4 v1(20.55,87.4) ; U5.15 79.62,12.97 v1(79.6,13) ; U3.15 21.62,36.97 v1(21.6,37) ; v1(79.6,37) 79.62,36.97 U6.15 ; U10.6 14.25,10.93 v1(14,11.18)
  Bottom w0.3: v1(20.55,87.4) 20.55,86.65 21.6,85.6 v1(21.6,85) v1(21.6,61) v1(21.6,37) v1(21.6,13) 21.6,7.7 22.6,6.7 71.5,6.7 76.8,12 78.65,12 79.6,12.95 v1(79.6,13) v1(79.6,37) v1(79.6,61.05) v1(79.6,85) 80.5,85 81.05,84.45 81.05,11.45 74.25,4.65 16.95,4.65 14.2,7.4 14.2,10.98 v1(14,11.18)
serial_in: length 27
  Top w0.3: U1.2 21.62,87.42 19.85,85.64 19.46,85.64 19.21,85.4 17.84,85.4 16.68,84.23 16.68,71.68 14.9,69.9 12.41,69.9 J1.4
serial_out: length 155.5
  Top w0.3: U8.9 75.72,85.17 76.45,85.9 79.9,85.9 v1(80,86) ; U10.1 13.25,5.25 v1(13.2,5.2)
  Bottom w0.3: v1(80,86) 80.8,86 81.55,85.25 81.55,11.24 74.45,4.15 14.25,4.15 v1(13.2,5.2)
serial_return: length 74.6
  Top w0.3: v1(13.8,14.2) 13.65,14.05 13.65,12.69 14.75,11.59 U10.5
  Bottom w0.3: v1(13.8,14.2) 11.8,12.2 6.4,12.2 5.8,12.8 5.8,54.6 15.2,64 15.2,67.15 J1.3
synchronous_clear: length 407.3
  Top w0.3: v1(18.93,19) 18.38,18.45 U4.7 ; U6.7 76.38,42.42 v1(76.95,43) ; U1.7 18.38,87.81 v1(18.85,87.34) 18.02,86.5 17.2,86.5 15.5,84.8 15.5,75.5 13.73,73.73 J1.7 ; v1(76.95,19) 76.38,18.42 U5.7 76.38,15.97 74.3,13.9 74.3,8.49 v1(74.32,8.46) ; v1(77.15,86.95) 76.38,87.72 U8.7 ; U2.7 18.38,66.11 v1(19.04,66.77) ; v1(10.4,5) 10.25,5.15 U9.3 ; v1(18.95,43) 18.38,42.42 U3.7 ; U7.7 76.38,66.42 v1(77.05,67.1)
  Bottom w0.3: v1(10.4,5) 11.75,3.65 74.66,3.65 82.05,11.04 82.05,85.94 80.39,87.6 77.8,87.6 v1(77.15,86.95) 77.34,86.76 77.34,67.39 v1(77.05,67.1) 77.25,66.9 77.25,43.3 v1(76.95,43) 77.12,42.83 77.12,19.12 77,19 ; v1(74.32,8.46) 74.32,8.32 72.2,6.2 21.8,6.2 19.2,8.8 19.2,18.73 v1(18.93,19) 19.12,19.2 19.12,42.83 v1(18.95,43) 19.12,43.17 19.12,66.68 v1(19.04,66.77) 20.85,68.58 20.85,85.34 v1(18.85,87.34)
transfer: length 428.6
  Top w0.3: v1(10,11.32) 10.25,11.07 U9.6 ; v1(18.4,13) 18.38,12.97 U4.10 ; U6.10 v1(76.38,37) ; v1(76.2,61.15) 76.38,60.97 U7.10 ; J1.6 9.6,69.63 9.6,68.2 10.4,67.4 15.7,67.4 17.5,69.2 17.5,81.93 17.28,82.15 17.28,82.15 17.17,82.26 17.17,83.96 17.44,84.22 18.01,84.22 18.38,83.86 ; v1(20.1,84.93) 19.45,84.93 18.38,83.86 ; U8.10 76.38,84.58 v1(76.59,84.79) ; U2.10 v1(18.38,61) ; v1(76.42,12.98) 76.38,12.94 U5.10 76.38,9.38 v1(76.2,9.2) ; U1.10 18.38,83.86 ; U3.10 v1(18.38,37)
  Bottom w0.3: v1(20.1,84.93) 20.3,84.73 20.3,69.19 18.25,67.14 18.25,63.91 18.55,63.61 18.55,61.17 v1(18.38,61) 18.2,60.83 18.2,37.17 v1(18.38,37) 18.12,36.75 18.12,13.28 v1(18.4,13) 18.4,8.7 21.4,5.7 72.7,5.7 v1(76.2,9.2) ; v1(76.42,12.98) 76.2,13.2 76.2,36.83 v1(76.38,37) 76.2,37.18 v1(76.2,61.15) 76.2,84.4 v1(76.59,84.79) 76.2,85.19 76.2,87.2 77.4,88.4 80.3,88.4 82.55,86.15 82.55,10.83 74.87,3.15 11.09,3.15 9.5,4.74 9.5,10.82 v1(10,11.32)
Net-(K1-Pad4): length 29.3
  Top w0.3: K2.3 50.6,87.2 51.2,86.6 70.2,86.6 70.8,87.2 K1.4 K1.5
